# Altium PCB LimeSDR-PCIe_1v3.PcbDoc (part 4 of 10)
Units mm, origin at the board's own origin, x right, y up, seen from the top; angles counter-clockwise.
Board outline 136.85 x 68.9 mm, 12 copper layers (Top, L2, L3, L4, L5, L6, L7, L8, L9, L10, L11, Bottom), stack 1.638 mm thick; 831 components, 538 nets, 3821 pads, 1805 vias.
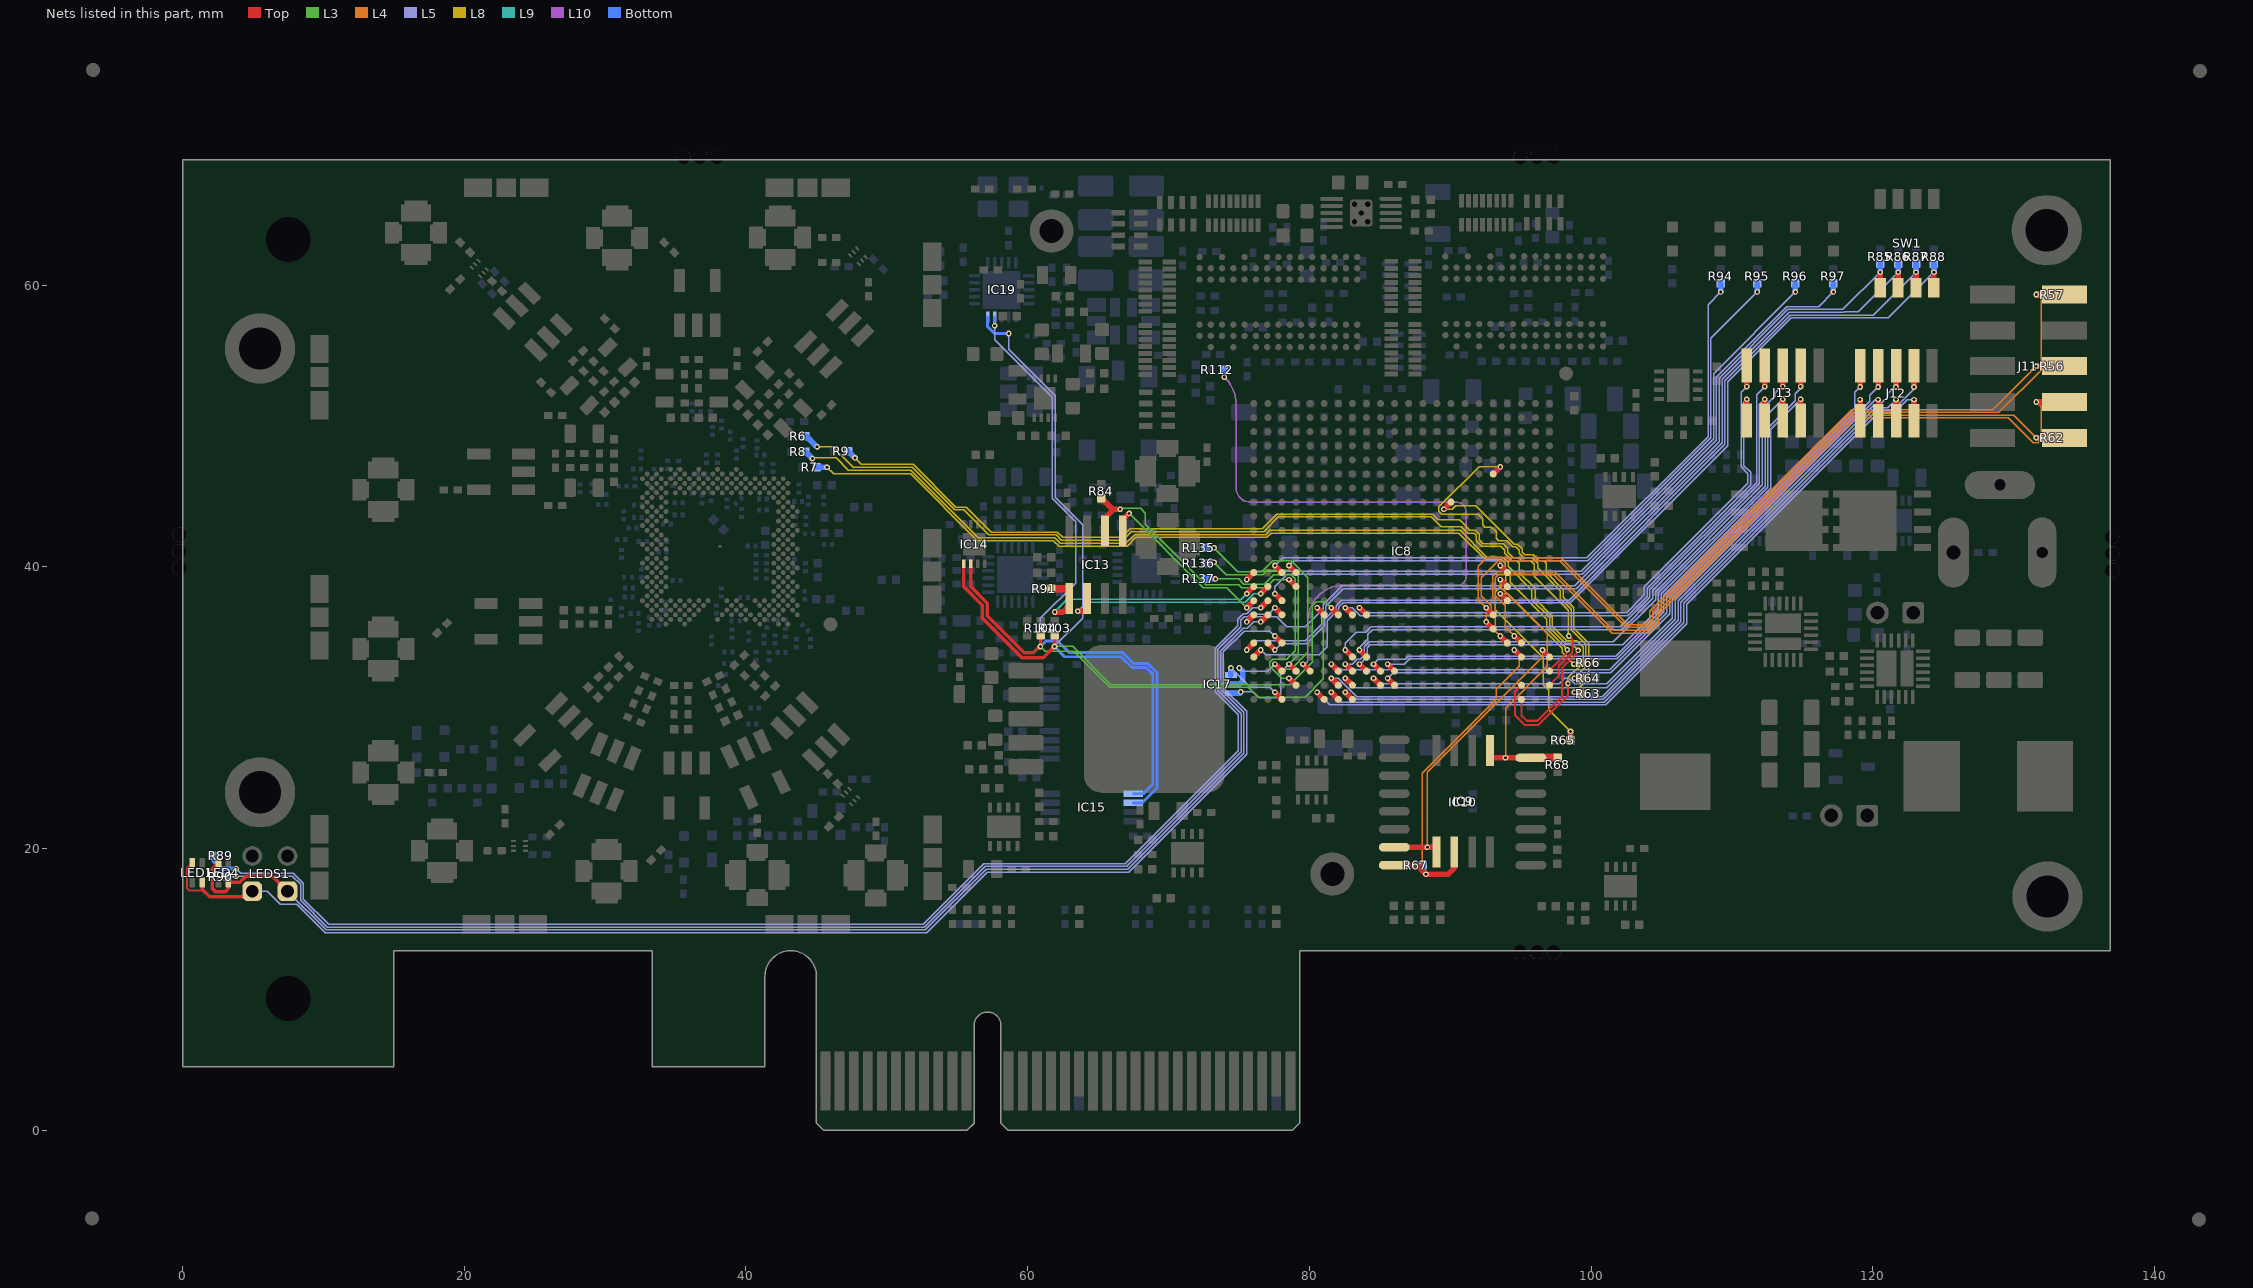
[diagram p14: the nets of this part, all layers, seen from the top]

## Via types
v1: diameter 0.4, hole 0.2, Top to Bottom, tented both sides, 1697 vias
v2: diameter 0.35, hole 0.2, Top to Bottom, tented top, 87 vias
v3: diameter 0.5, hole 0.2, Top to Bottom, tented both sides, 20 vias
v4: diameter 0.4, hole 0.2, Top to Bottom, tented top, 1 vias

## Nets (pads, with @x,y where several pads share a name; then routed paths per layer and width w, separated by ;. In a path a pad name is that pad's centre, name@x,y a point inside that pad or via, vN(x,y) a via of type N, cw(c..) or ccw(c..) an arc to the next point about the centre after c; other vN are vias at no path point) (continued)
FPGA_AS_ASDO: IC8.D1 IC9.5 IC10.15 | length 21.2
  Top w0.4: IC10.15@86.025,20.1 88.7,20.1 IC9.5@89.02,20.42 ; v1(96.55,34.1) IC8.D1@97.05,33.6
  L4 w0.1: v1(88.375,20.1) 88.375,25.43 96.55,33.605 v1(96.55,34.1)
FPGA_AS_DATA0: IC8.K4 R65.2 | length 15.8
  Top w0.4: v1(93.55,40.1) IC8.K4@94.05,39.6 ; R65.2@98.535,27.7 v1(98.535,28.325)
  L8 w0.1: v1(93.55,40.1) 93.55,39.967 93.95,39.567 93.95,38.995 93.2,38.245 93.2,36.955 96.6,33.555 96.6,31.65 97,31.25 97,29.86 v1(98.535,28.325)
FPGA_AS_DCLK: IC8.D3 IC9.6 IC10.16 R67.1 | length 26.3
  Top w0.4: IC10.16@86.025,18.83 87.62,18.83 v1(88.275,18.175) 89.85,18.175 90.29,18.615 IC9.6@90.29,19.75 ; v1(94.55,34.1) IC8.D3@95.05,33.6
  L4 w0.1: v1(88.275,18.175) 88.025,18.425 88.025,25.363 93.272,30.61 93.272,31.328 94.9,32.955 94.9,33.75 v1(94.55,34.1)
  Bottom w0.4: R67.1@88.05,18.825 88.05,18.4 v1(88.275,18.175)
FPGA_AS_NCSO: IC8.J4 IC9.1 IC10.7 R68.2 | length 20.8
  Top w0.4: IC9.1@92.83,26.405 92.875,26.45 IC10.7@95.725,26.45 ; v1(93.55,39.1) IC8.J4@94.05,38.6
  Top w0.6: IC10.7@95.725,26.45 R68.2@97.625,26.45
  L4 w0.1: v1(93.55,39.1) 93.55,38.605 96.9,35.255 96.9,32.955 93.925,29.98 v1(93.925,26.45)
FPGA_CLK_OUT: IC8.C18 R112.2 | length 47.5
  Top w0.4: v1(79.55,33.1) IC8.C18@80.05,32.6
  L10 w0.1: v1(73.95,53.475) 74.056,53.369 cw(c72.26,51.573) 74.8,51.573 74.8,45.6 ccw(c75.8,45.6) 75.8,44.6 90.425,44.6 cw(c90.425,43.9) 91.125,43.9 91.125,39.3 cw(c90.525,39.3) 90.525,38.7 82.44,38.7 ccw(c82.44,36.16) 79.9,36.16 79.9,33.45 cw(c79.55,33.45) v1(79.55,33.1)
  Bottom w0.325: v1(73.95,53.475) R112.2@73.95,53.95
FPGA_CONF_DONE: IC8.U5 R64.2 | length 26.1
  Top w0.4: IC8.U5@93.05,46.6 v1(93.55,47.1) ; v1(98.825,32.1) R64.2@99.3,32.1
  L8 w0.1: v1(93.55,47.1) 92.045,47.1 89.2,44.255 89.2,43.955 89.405,43.75 91.975,43.75 92.293,43.432 92.293,42.993 92.461,42.825 92.925,42.825 93.261,42.489 93.261,42.025 93.436,41.85 94.022,41.85 94.447,41.425 94.667,41.425 94.903,41.19 94.903,40.965 95.217,40.65 95.808,40.65 96.2,40.258 96.2,39.925 97.825,38.3 97.825,37.754 98.575,37.004 98.575,35.55 99.625,34.5 99.625,32.9 v1(98.825,32.1)
FPGA_GPIO0: IC8.B12 J12.1 | length 44.9
  Top w0.4: v1(85.55,32.1) IC8.B12@86.05,31.6 ; J12.1@119.1,50.375 v1(119.1,51.875)
  L5 w0.1: v1(85.55,32.1) 85.95,32.5 101.41,32.5 105.575,36.665 105.575,37.837 119.1,51.362 v1(119.1,51.875)
FPGA_GPIO1: IC8.C16 J12.2 | length 49.6
  Top w0.4: v1(81.55,33.1) IC8.C16@82.05,32.6 ; v1(119.1,52.775) J12.2@119.1,54.275
  L5 w0.1: v1(81.55,33.1) 81.95,32.7 101.327,32.7 105.375,36.748 105.375,37.92 118.725,51.27 118.725,52.4 v1(119.1,52.775)
FPGA_GPIO2: IC8.B15 J12.3 | length 49.6
  Top w0.4: v1(82.55,32.1) IC8.B15@83.05,31.6 ; J12.3@120.375,50.375 v1(120.375,51.875)
  L5 w0.1: v1(82.55,32.1) 83.225,31.425 101.119,31.425 105.975,36.281 105.975,37.672 120.178,51.875 v1(120.375,51.875)
FPGA_GPIO3: IC8.B13 J12.4 | length 48.3
  Top w0.4: v1(84.55,32.1) IC8.B13@85.05,31.6 ; v1(120.375,52.775) J12.4@120.375,54.275
  L5 w0.1: v1(84.55,32.1) 84.95,31.7 97.725,31.7 98.125,32.1 98.425,32.1 98.825,31.7 101.111,31.7 105.775,36.364 105.775,37.754 119.775,51.754 119.775,52.175 v1(120.375,52.775)
FPGA_GPIO4: IC8.A15 J12.5 | length 51.1
  Top w0.4: v1(82.55,31.1) IC8.A15@83.05,30.6 ; J12.5@121.65,50.375 v1(121.65,51.875)
  L5 w0.1: v1(82.55,31.1) 83.05,30.6 100.859,30.6 106.375,36.116 106.375,37.506 120.169,51.3 121.075,51.3 v1(121.65,51.875)
FPGA_GPIO5: IC8.B16 J12.6 | length 52.9
  Top w0.4: v1(81.55,32.1) IC8.B16@82.05,31.6 ; v1(121.65,52.775) J12.6@121.65,54.275
  L5 w0.1: v1(81.55,32.1) 82.045,32.1 83.345,30.8 100.776,30.8 106.175,36.199 106.175,37.589 120.086,51.5 120.5,51.5 121.113,52.112 121.113,52.342 121.545,52.775 v1(121.65,52.775)
FPGA_GPIO6: IC8.A17 J12.7 | length 54.7
  Top w0.4: v1(80.55,31.1) IC8.A17@81.05,30.6 ; J12.7@122.925,50.375 v1(122.925,51.875)
  L5 w0.1: v1(80.55,31.1) 81.45,30.2 101.025,30.2 106.775,35.95 106.775,37.34 120.335,50.9 121.453,50.9 122.428,51.875 v1(122.925,51.875)
FPGA_GPIO7: IC8.A16 J12.8 | length 54
  Top w0.4: v1(81.55,31.1) IC8.A16@82.05,30.6 ; v1(122.925,52.775) J12.8@122.925,54.275
  L5 w0.1: v1(81.55,31.1) 82.25,30.4 100.942,30.4 106.575,36.033 106.575,37.423 120.252,51.1 121.37,51.1 122.925,52.655 v1(122.925,52.775)
FPGA_GPIO8: IC8.G15 J13.1 | length 41.7
  Top w0.4: v1(82.55,37.1) IC8.G15@83.05,36.6 ; J13.1@111.05,50.4 v1(111.05,51.9)
  L5 w0.1: v1(82.55,37.1) 83.055,37.1 83.605,36.55 102.6,36.55 103.975,37.925 103.975,38.5 111.325,45.85 111.325,46.708 110.85,47.183 110.85,51.7 v1(111.05,51.9)
FPGA_GPIO9: IC8.G14 J13.2 | length 41.3
  Top w0.4: v1(83.55,37.1) IC8.G14@84.05,36.6 ; v1(111.05,52.8) J13.2@111.05,54.3
  L5 w0.1: v1(83.55,37.1) 83.9,36.75 102.517,36.75 103.775,38.008 103.775,38.583 111.125,45.933 111.125,46.625 110.65,47.1 110.65,52.4 v1(111.05,52.8)
FPGA_GPIO10: IC8.D14 J13.3 | length 42.3
  Top w0.4: v1(83.55,34.1) IC8.D14@84.05,33.6 ; J13.3@112.325,50.4 v1(112.325,51.9)
  L5 w0.1: v1(83.55,34.1) 83.55,34.266 84.16,34.876 84.16,35.215 84.495,35.55 102.167,35.55 104.375,37.758 104.375,38.334 111.95,45.909 111.95,51.525 v1(112.325,51.9)
FPGA_GPIO11: IC8.D15 J13.4 | length 44
  Top w0.4: v1(82.55,34.1) IC8.D15@83.05,33.6 ; v1(112.325,52.8) J13.4@112.325,54.3
  L5 w0.1: v1(82.55,34.1) 82.55,34.595 83.33,35.375 84,35.375 84.375,35.75 102.084,35.75 104.175,37.841 104.175,38.417 111.75,45.992 111.75,52.225 v1(112.325,52.8)
FPGA_GPIO12: IC8.C14 J13.5 | length 44
  Top w0.4: v1(83.55,33.1) IC8.C14@84.05,32.6 ; J13.5@113.6,50.4 v1(113.6,51.9)
  L5 w0.1: v1(83.55,33.1) 83.558,33.1 84.1,33.642 84.1,34.25 84.325,34.475 102.254,34.475 104.775,36.996 104.775,38.169 112.35,45.744 112.35,50.65 v1(113.6,51.9)
FPGA_GPIO13: IC8.C15 J13.6 | length 45.4
  Top w0.4: v1(82.55,33.1) IC8.C15@83.05,32.6 ; v1(113.6,52.8) J13.6@113.6,54.3
  L5 w0.1: v1(82.55,33.1) 83.05,33.1 83.387,33.437 83.393,33.437 83.405,33.45 83.625,33.45 83.9,33.725 83.9,34.333 84.242,34.675 101.575,34.675 104.575,37.675 104.575,38.251 112.15,45.826 112.15,51.23 113.07,52.15 113.07,52.38 113.49,52.8 v1(113.6,52.8)
FPGA_GPIO14: IC8.C12 J13.7 | length 42.5
  Top w0.4: v1(85.55,33.1) IC8.C12@86.05,32.6 ; J13.7@114.875,50.4 v1(114.875,51.9)
  L5 w0.1: v1(85.55,33.1) 86.75,33.1 87.125,33.475 101.819,33.475 105.175,36.831 105.175,38.003 112.75,45.578 112.75,49.775 v1(114.875,51.9)
FPGA_GPIO15: IC8.C13 J13.8 | length 44.2
  Top w0.4: v1(84.55,33.1) IC8.C13@85.05,32.6 ; v1(114.875,52.8) J13.8@114.875,54.3
  L5 w0.1: v1(84.55,33.1) 84.9,33.45 86.8,33.45 87.025,33.675 101.736,33.675 104.975,36.914 104.975,38.086 112.55,45.661 112.55,49.858 114.5,51.808 114.5,52.305 114.875,52.68 v1(114.875,52.8)
FPGA_I2C_SCL: IC8.G17 IC14.2 IC15.6 IC19.4 R104.2 | length 84.6
  Top w0.25: IC14.2@55.95,40.225 55.95,38.605 57.125,37.43 57.125,36.53 59.755,33.9 60.126,33.9 60.4,33.9 60.925,34.425 R104.2@60.925,35.15
  Top w0.4: v1(80.55,37.1) IC8.G17@81.05,36.6
  L3 w0.1: v1(60.9,34.35) 61.25,34 63.267,34 65.817,31.45 75.675,31.45 76.375,30.75 79.695,30.75 81,32.055 81,36.65 v1(80.55,37.1)
  L5 w0.1: v1(57.65,57.125) 57.65,56.13 61.75,52.03 61.75,44.872 63.4,43.222 63.4,38.85 60.9,36.35 v1(60.9,34.35)
  Bottom w0.2: v1(57.65,57.125) IC19.4@57.65,57.75 ; v1(60.9,34.35) 61.3,34.75 62.125,34.75 62.95,33.925 66.749,33.925 67.524,33.15 68.524,33.15 69.175,32.499 69.175,24.3 68.125,23.25 IC15.6@67.5,23.25
FPGA_I2C_SDA: IC8.G16 IC14.1 IC15.5 IC19.5 R103.2 | length 83.1
  Top w0.25: IC14.1@55.45,40.225 55.45,38.61 56.775,37.285 56.775,36.375 59.6,33.55 61.1,33.55 v1(61.9,34.35) 61.925,34.375 R103.2@61.925,35.15
  Top w0.4: v1(81.55,37.1) IC8.G16@82.05,36.6
  L3 w0.1: v1(61.9,34.35) 63.2,34.35 65.9,31.65 78.605,31.65 80.2,33.245 80.2,37.245 80.48,37.525 81.125,37.525 v1(81.55,37.1)
  L5 w0.1: v1(58.65,56.575) 58.65,55.455 61.95,52.155 61.95,44.955 63.9,43.005 63.9,36.35 v1(61.9,34.35)
  Bottom w0.2: IC19.5@57.15,57.75 57.15,57.059 57.634,56.575 v1(58.65,56.575) ; v1(61.9,34.35) 62.625,33.625 66.625,33.625 67.4,32.85 68.4,32.85 68.875,32.375 68.875,24.55 68.225,23.9 IC15.5@67.5,23.9
FPGA_JTAG_TCK: IC8.E4 J11.1 R62.1 | length 55.1
  Top w0.4: v1(93.55,35.1) IC8.E4@94.05,34.6 ; v1(131.6,49.164) J11.1@133.1,49.164
  L4 w0.1: v1(93.55,35.1) 93.2,35.45 93.2,37.672 93,37.872 93,39.328 93.322,39.65 97.425,39.65 101.575,35.5 103.986,35.5 104.575,36.089 104.575,36.692 118.658,50.775 129.989,50.775 v1(131.6,49.164)
  Bottom w0.4: v1(131.6,49.164) R62.1@132.25,49.164
FPGA_JTAG_TDI: IC8.F5 J11.9 R57.2 | length 62.1
  Top w0.4: v1(92.55,36.1) IC8.F5@93.05,35.6 ; v1(131.6,59.336) J11.9@133.1,59.336
  L4 w0.1: v1(92.55,36.1) 92.55,36.625 92.675,36.75 92.695,36.75 92.9,36.955 92.9,37.255 92.2,37.955 92.2,39.245 93.405,40.45 97.756,40.45 102.506,35.7 103.903,35.7 104.375,36.172 104.375,36.775 118.575,50.975 128.95,50.975 131.95,53.975 131.95,58.986 v1(131.6,59.336)
  Bottom w0.4: v1(131.6,59.336) R57.2@132.25,59.336
FPGA_JTAG_TDO: IC8.E3 J11.3 | length 57.8
  Top w0.4: v1(94.55,35.1) IC8.E3@95.05,34.6 ; v1(131.6,51.707) J11.3@133.1,51.707
  L4 w0.1: v1(94.55,35.1) 93.9,35.75 93.9,37.255 93.2,37.955 93.2,39.245 93.405,39.45 97.342,39.45 101.492,35.3 104.068,35.3 104.775,36.007 104.775,36.609 118.741,50.575 129.625,50.575 131.386,48.814 131.745,48.814 131.95,49.019 131.95,51.357 v1(131.6,51.707)
FPGA_JTAG_TMS: IC8.G5 J11.5 R56.2 | length 55.8
  Top w0.4: v1(92.55,37.1) IC8.G5@93.05,36.6 ; v1(131.6,54.25) J11.5@133.1,54.25
  L4 w0.1: v1(92.55,37.1) 92,37.65 92,40.045 92.605,40.65 97.839,40.65 102.589,35.9 103.82,35.9 104.175,36.255 104.175,36.858 118.492,51.175 128.525,51.175 v1(131.6,54.25)
  Bottom w0.4: v1(131.6,54.25) R56.2@132.25,54.25
FPGA_LED1_G: IC8.H21 R89.1 | length 94.1
  Top w0.4: v1(76.55,37.1) IC8.H21@77.05,37.6
  L5 w0.1: v1(3.8,18.575) 4.125,18.25 7.865,18.25 8.579,17.536 8.579,16.412 10.366,14.625 52.58,14.625 56.891,18.936 66.936,18.936 74.95,26.95 74.95,29.501 73.3,31.151 73.3,34.224 74.917,35.841 74.917,36.3 75.292,36.675 75.55,36.675 75.975,37.1 v1(76.55,37.1)
  Bottom w0.3: R89.1@2.2,19.5 2.2,19.125 2.75,18.575 v1(3.8,18.575)
FPGA_LED1_R: IC8.E20 LED1.2 LED1.3 LEDS1.K1 | length 97.7
  Top w0.15: LED1.2@0.7,19 0.325,18.625 0.325,17.175 0.475,17.025 1.325,17.025 1.4,17.1
  Top w0.25: LED1.3@1.4,17.6 1.4,17.1 1.925,16.575 4.55,16.575 LEDS1.K1@4.95,16.975
  Top w0.4: v1(77.55,35.1) IC8.E20@78.05,34.6
  L5 w0.1: LEDS1.K1@4.95,16.975 6.025,16.975 6.95,16.05 8.092,16.05 10.117,14.025 52.829,14.025 57.139,18.336 67.184,18.336 75.55,26.701 75.55,29.75 73.9,31.4 73.9,33.975 75.375,35.45 77.2,35.45 v1(77.55,35.1)
FPGA_LED2_G: IC8.G20 R90.1 | length 93.5
  Top w0.4: v1(77.55,37.1) IC8.G20@78.05,36.6
  L5 w0.1: v1(3.8,18.05) 7.782,18.05 8.379,17.454 8.379,16.329 10.283,14.425 52.663,14.425 56.974,18.736 67.019,18.736 75.15,26.867 75.15,29.584 73.5,31.234 73.5,34.141 75.117,35.758 75.117,36.217 75.375,36.475 75.642,36.475 75.817,36.65 77.1,36.65 v1(77.55,37.1)
  Bottom w0.3: R90.1@3.2,18 3.25,18.05 v1(3.8,18.05)
FPGA_LED2_R: IC8.G21 LED4.2 LED4.3 LEDS1.K2 | length 95.2
  Top w0.25: LED4.2@2.55,19 2.125,18.575 2.125,17.15 2.35,16.925 3.025,16.925 3.25,17.15 LED4.3@3.25,17.6 4.062,17.6 4.487,18.025 6.4,18.025 LEDS1.K2@7.45,16.975
  Top w0.4: v1(76.55,36.1) IC8.G21@77.05,36.6
  L5 w0.1: LEDS1.K2@7.45,16.975 10.2,14.225 52.746,14.225 57.056,18.536 67.101,18.536 75.35,26.784 75.35,29.667 73.7,31.317 73.7,34.058 75.292,35.65 75.6,35.65 76.05,36.1 v1(76.55,36.1)
FPGA_LED3: IC8.K20 R94.1 | length 46.5
  Top w0.4: v1(77.55,40.1) IC8.K20@78.05,39.6
  L5 w0.1: v1(77.55,40.1) 78.1,40.65 99.695,40.65 108.3,49.255 108.3,58.625 v1(109.2,59.525)
  Bottom w0.4: v1(109.2,59.525) R94.1@109.2,60.125
FPGA_LED4: IC8.K19 R95.1 | length 46.7
  Top w0.4: v1(78.55,40.1) IC8.K19@79.05,39.6
  L5 w0.1: v1(78.55,40.1) 78.9,40.45 99.778,40.45 108.5,49.172 108.5,56.23 v1(111.795,59.525)
  Bottom w0.4: v1(111.795,59.525) R95.1@111.795,60.125
FPGA_LED5: IC8.K22 R96.1 | length 51.4
  Top w0.4: v1(75.55,39.1) IC8.K22@76.05,39.6
  L5 w0.1: v1(75.55,39.1) 76.125,39.675 99.286,39.675 108.7,49.089 108.7,53.725 v1(114.5,59.525)
  Bottom w0.4: v1(114.5,59.525) R96.1@114.5,60.125
FPGA_LED6: IC8.H20 R97.1 | length 52.7
  Top w0.4: v1(77.55,38.1) IC8.H20@78.05,37.6
  L5 w0.1: v1(77.55,38.1) 77.55,38.595 78.43,39.475 99.369,39.475 108.9,49.006 108.9,53.481 113.894,58.476 116.151,58.476 v1(117.2,59.525)
  Bottom w0.4: v1(117.2,59.525) R97.1@117.2,60.125
FPGA_NCONFIG: IC8.H4 R66.2 | length 8.7
  Top w0.4: v1(93.55,38.1) IC8.H4@94.05,37.6 ; v1(98.775,33.1) R66.2@99.3,33.1
  L8 w0.1: v1(93.55,38.1) 94.082,38.1 97.95,34.232 97.95,33.925 v1(98.775,33.1)
FPGA_NSTATUS: IC8.R8 R63.2 | length 21.2
  Top w0.4: v1(89.55,44.1) IC8.R8@90.05,44.6 ; v1(98.825,31.1) 99.2,31.1 R63.2@99.3,31
  L8 w0.1: v1(89.55,44.1) 90.15,44.1 90.4,44.35 91.805,44.35 94.53,41.625 94.75,41.625 95.103,41.272 95.103,41.053 95.305,40.85 95.891,40.85 96.291,40.45 96.625,40.45 96.8,40.275 96.8,39.608 98.025,38.383 98.025,37.837 98.775,37.087 98.775,35.633 99.825,34.583 99.825,32.1 v1(98.825,31.1)
FPGA_SPI0_LMS_SS: IC8.B1 R9.2 | length 64.2
  Top w0.15: IC8.B1@97.05,31.6 97.675,32.225 97.675,32.925 98.675,33.925 98.675,34.85 v1(98.425,35.1)
  L8 w0.1: v1(47.738,47.737) 48.2,47.275 51.875,47.275 54.9,44.25 55.625,44.25 57.4,42.475 62.108,42.475 62.483,42.1 66.667,42.1 67.267,42.7 76.645,42.7 77.695,43.75 88.75,43.75 89.15,43.35 90.654,43.35 90.8,43.204 90.8,43.2 91.4,42.6 91.775,42.6 92.05,42.325 92.05,41.925 92.325,41.65 93.75,41.65 94.068,41.332 94.068,41.04 94.458,40.65 94.892,40.65 95.092,40.45 95.725,40.45 95.975,40.2 95.975,39.321 98.375,36.921 98.375,35.15 v1(98.425,35.1)
  Bottom w0.4: R9.2@47.25,48.225 v1(47.738,47.737)
FPGA_SPI0_MISO: IC8.A3 R8.2 | length 71.1
  Top w0.15: IC8.A3@95.05,30.6 95.05,29.45 95.425,29.075 96.196,29.075 97.95,30.829 97.95,32.846 99.075,33.971 v1(99.075,34.075)
  L8 w0.1: v1(44.713,47.687) 44.775,47.75 46.395,47.75 47.27,46.875 51.703,46.875 56.503,42.075 61.908,42.075 62.308,41.675 66.975,41.675 67.6,42.3 76.9,42.3 77.2,42.6 90.696,42.6 92.596,40.7 93.728,40.7 94.1,40.328 94.1,40.05 95.8,38.35 95.8,37.667 97.05,36.417 97.05,35.697 98.197,34.55 98.205,34.55 98.6,34.55 v1(99.075,34.075)
  Bottom w0.4: R8.2@44.225,48.175 v1(44.713,47.687)
FPGA_SPI0_MOSI: IC8.C1 R7.2 | length 62.5
  Top w0.15: IC8.C1@97.05,32.6 97.05,32.654 98.3,33.904 v1(98.3,34.125)
  L8 w0.1: v1(45.75,47.075) 46.225,46.6 51.695,46.6 56.42,41.875 61.825,41.875 62.225,41.475 67.058,41.475 67.683,42.1 76.983,42.1 77.283,42.4 90.614,42.4 92.514,40.5 93.645,40.5 93.9,40.245 93.9,39.9 94.25,39.55 94.25,38.9 96.85,36.3 96.85,35.614 98.3,34.164 v1(98.3,34.125)
  Bottom w0.4: R7.2@45.025,47.075 v1(45.75,47.075)
FPGA_SPI0_SCLK: IC8.B3 R6.2 | length 75.5
  Top w0.15: IC8.B3@95.05,31.6 94.6,31.15 94.6,29.476 95.301,28.775 96.25,28.775 98.35,30.875 v1(98.35,31.725)
  L8 w0.1: v1(45.05,48.525) 46.15,48.525 47.6,47.075 51.792,47.075 54.817,44.05 55.45,44.05 57.225,42.275 62.025,42.275 62.4,41.9 66.75,41.9 67.35,42.5 76.75,42.5 77.8,43.55 88.667,43.55 89.367,42.85 90.775,42.85 91.225,42.4 91.692,42.4 91.85,42.242 91.85,41.842 92.242,41.45 93.6,41.45 93.868,41.182 93.868,40.957 94.375,40.45 94.725,40.45 94.9,40.275 94.9,39.6 96.025,38.475 96.025,37.725 97.25,36.5 97.25,35.78 98.28,34.75 98.975,34.75 99.425,34.3 99.425,33.2 98.35,32.125 v1(98.35,31.725)
  Bottom w0.4: R6.2@44.225,49.275 44.3,49.275 v1(45.05,48.525)
FPGA_SPI1_ADF_SS: IC8.B19 R137.1 | length 16.8
  Top w0.4: v1(78.55,32.1) IC8.B19@79.05,31.6
  L3 w0.1: v1(73.325,39.15) 74.975,39.15 75.35,38.775 76.8,38.775 77.475,39.45 78.695,39.45 79,39.145 79,34.055 78.395,33.45 77.405,33.45 77.2,33.245 77.2,32.955 78.055,32.1 v1(78.55,32.1)
  Bottom w0.4: R137.1@72.65,39.15 v1(73.325,39.15)
FPGA_SPI1_DAC_SS: IC8.A20 IC17.1 | length 5.1
  Top w0.4: v1(77.55,31.1) IC8.A20@78.05,30.6
  L5 w0.1: v1(74.425,32.832) 75.807,31.45 77.2,31.45 v1(77.55,31.1)
  Bottom w0.4: IC17.1@74.425,32.325 v1(74.425,32.832)
FPGA_SPI1_MOSI: IC8.C19 IC17.3 R136.1 | length 20.9
  Top w0.4: v1(78.55,33.1) IC8.C19@79.05,32.6
  L3 w0.1: v1(73.225,40.325) 74.1,39.45 76.688,39.45 76.988,39.75 78.775,39.75 79.2,39.325 79.2,33.75 v1(78.55,33.1)
  L5 w0.1: v1(75.132,31.125) 76.025,31.125 76.45,30.7 77.7,30.7 77.975,30.975 77.975,32.525 v1(78.55,33.1)
  Bottom w0.15: R136.1@72.65,40.25 R136.1@72.825,40.25
  Bottom w0.4: R136.1@72.65,40.25 72.725,40.325 v1(73.225,40.325) ; IC17.3@74.425,31.025 75.032,31.025 v1(75.132,31.125)
FPGA_SPI1_SCLK: IC8.C20 IC17.2 R135.1 | length 22.6
  Top w0.4: v1(77.55,33.1) IC8.C20@78.05,32.6
  L3 w0.1: v1(73.225,41.35) 74.925,39.65 76.605,39.65 77.405,40.45 78.695,40.45 79.9,39.245 79.9,33.955 78.695,32.75 77.9,32.75 v1(77.55,33.1)
  L5 w0.1: v1(75.025,32.825) 75.25,32.6 77.05,32.6 v1(77.55,33.1)
  Bottom w0.4: R135.1@72.65,41.35 v1(73.225,41.35) ; IC17.2@74.425,31.675 75.05,31.675 75.275,31.9 75.275,32.575 v1(75.025,32.825)
FPGA_SPI2_FLASH_SS: IC8.J22 IC13.1 R91.2 | length 18.5
  Top w0.4: v1(61.925,36.8) 62.5,36.8 62.945,37.245 IC13.1@62.945,37.75 ; v1(75.55,38.1) IC8.J22@76.05,38.6
  Top w0.5: R91.2@61.675,38.45 62.775,38.45 62.945,38.28 IC13.1@62.945,37.75
  L9 w0.1: v1(61.925,36.8) 62.825,37.7 75.15,37.7 v1(75.55,38.1)
FPGA_SPI2_MISO: IC8.J21 IC13.2 | length 14.9
  Top w0.4: v1(63.55,36.85) IC13.2@64.18,36.85 ; v1(76.55,38.1) IC8.J21@77.05,38.6
  L9 w0.1: v1(63.55,36.85) 64.2,37.5 75.445,37.5 76.045,38.1 v1(76.55,38.1)
FPGA_SPI2_MOSI: IC8.H22 IC13.5 | length 13.3
  Top w0.4: IC13.5@66.755,42.55 66.755,43.355 v1(67.2,43.8) ; v1(75.55,37.1) IC8.H22@76.05,37.6
  L3 w0.1: v1(67.2,43.8) 72.475,38.525 74.125,38.525 v1(75.55,37.1)
FPGA_SPI2_SCLK: IC8.J19 IC13.6 R84.2 | length 19.2
  Top w0.4: R84.2@65.225,44.875 66,44.1 66.125,44.1 ; IC13.6@65.485,42.55 65.485,43.46 66.125,44.1 ; v1(66.575,44.1) 66.125,44.1 ; v1(78.55,39.1) IC8.J19@79.05,38.6
  L3 w0.1: v1(66.575,44.1) 66.625,44.15 68.025,44.15 68.363,43.812 68.363,43.012 72.65,38.725 75,38.725 75.2,38.525 76.9,38.525 77.475,39.1 v1(78.55,39.1)
FPGA_SW0: IC8.D22 R88.2 SW1.8 | length 65
  Top w0.4: IC8.D22@76.05,33.6 v1(76.55,34.1) ; SW1.8@124.335,60.225 124.335,60.92 v1(124.34,60.925)
  L5 w0.1: v1(76.55,34.1) 76.9,33.75 80.695,33.75 81.28,34.335 81.28,36.194 82.1,37.014 82.1,37.155 82.395,37.45 98.533,37.45 109.7,48.617 109.7,53.15 114.226,57.676 121.091,57.676 v1(124.34,60.925)
  Bottom w0.4: v1(124.34,60.925) R88.2@124.34,61.525
FPGA_SW1: IC8.E21 R87.2 SW1.7 | length 61.6
  Top w0.4: IC8.E21@77.05,34.6 v1(77.55,34.1) ; SW1.7@123.065,60.225 123.065,60.92 v1(123.07,60.925)
  L5 w0.1: v1(77.55,34.1) 78,34.55 79.788,34.55 81.08,35.842 81.08,36.276 81.9,37.096 81.9,37.238 82.312,37.65 98.45,37.65 109.5,48.7 109.5,53.233 114.143,57.876 115.518,57.876 ; 115.518,57.876 120.021,57.876 v1(123.07,60.925)
  Bottom w0.4: v1(123.07,60.925) R87.2@123.07,61.525
FPGA_SW2: IC8.E22 R86.2 SW1.6 | length 62.6
  Top w0.4: v1(75.55,34.1) IC8.E22@76.05,34.6 ; SW1.6@121.795,60.225 121.795,60.92 v1(121.8,60.925)
  L5 w0.1: v1(75.55,34.1) 76.2,34.75 79.705,34.75 80.88,35.925 80.88,36.605 81.175,36.9 81.175,37.22 82.405,38.45 98.933,38.45 109.3,48.817 109.3,53.316 114.06,58.076 117.964,58.076 117.988,58.1 118.975,58.1 v1(121.8,60.925)
  Bottom w0.4: v1(121.8,60.925) R86.2@121.8,61.525
FPGA_SW3: IC8.G22 R85.2 SW1.5 | length 60.7
  Top w0.4: v1(75.55,36.1) IC8.G22@76.05,36.6 ; SW1.5@120.525,60.225 120.525,60.92 v1(120.53,60.925)
  L5 w0.1: v1(75.55,36.1) 75.9,36.45 77.7,36.45 78.4,35.75 79.705,35.75 80.975,37.02 80.975,37.303 82.322,38.65 98.85,38.65 109.1,48.9 109.1,53.399 113.977,58.276 117.881,58.276 v1(120.53,60.925)
  Bottom w0.4: v1(120.53,60.925) R85.2@120.53,61.525